# Altium PCB ddrlegobrick.PcbDoc (part 2 of 2)
Units mm, origin at the board's own origin, x right, y up, seen from the top; angles counter-clockwise.
Board outline 62 x 30 mm, 4 copper layers (TOP_PWR, POWER, SHIELD_GND, SIGNAL), stack 0.603 mm thick; 106 components, 102 nets, 465 pads, 300 vias.
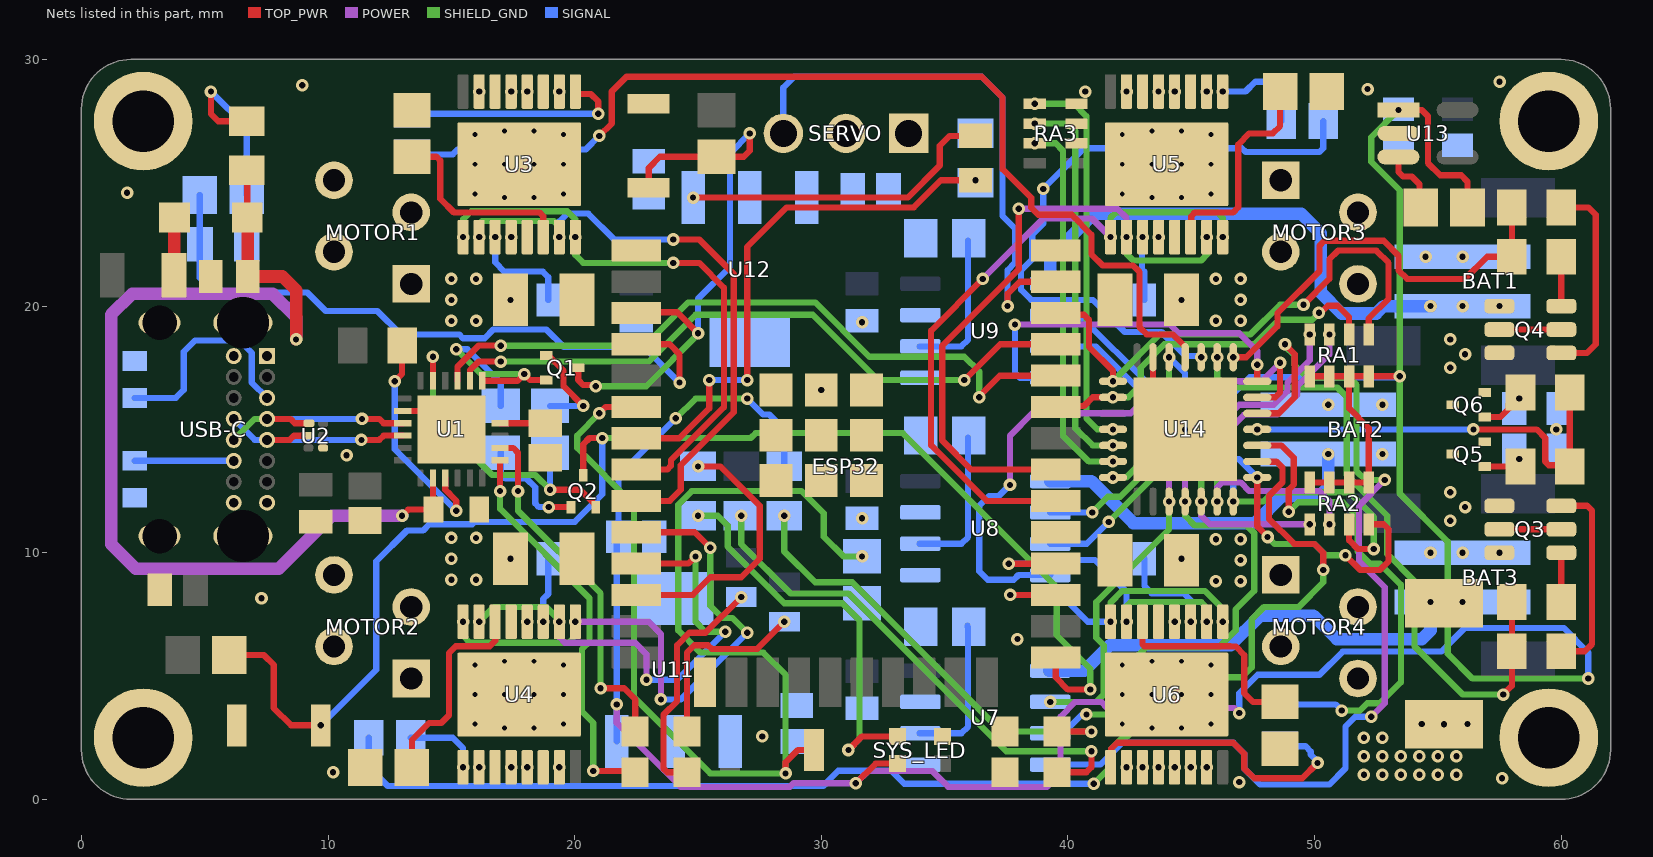
[diagram p4: the nets of this part, all layers, seen from the top]

## Via types
v1: diameter 0.508, hole 0.254, TOP_PWR to SIGNAL, 252 vias
v2: diameter 0.5, hole 0.2, TOP_PWR to SIGNAL, tented both sides, 40 vias
v3: diameter 0.5, hole 0.2, TOP_PWR to SIGNAL, 8 vias

## Nets (pads, with @x,y where several pads share a name; then routed paths per layer and width w, separated by ;. In a path a pad name is that pad's centre, name@x,y a point inside that pad or via, vN(x,y) a via of type N, cw(c..) or ccw(c..) an arc to the next point about the centre after c; other vN are vias at no path point) (continued)
+5V: C20.1 C22.1 C25.1 R4.1 R8.2 RA1.5 RA1.6 RA1.7 RA1.8 RA2.5 RA2.6 RA2.7 RA2.8 SYS_LED.4 U11.3 U13.1 U14.5 U14.14 | length 134.4
  TOP_PWR w0.254: v1(31.4,0.65) 32.2,1.45 SYS_LED.4@33.085,1.45 ; RA2.8@49.8,12.85 RA2.7@50.6,12.85 RA2.6@51.4,12.85 RA2.5@52.2,12.85 52.2,15.05 51.4,15.85 RA1.7@51.4,17.15 ; RA1.5@49.8,17.15 RA1.6@50.6,17.15 RA1.7@51.4,17.15 ; v1(53.399,27.95) 54.35,27.95 54.6,27.7 54.6,25.8 55.1,25.3 55.95,25.3 56.2,25.05 R8.2@56.2,24 ; v1(53.45,17.15) RA1.8@52.2,17.15 RA1.7@51.4,17.15
  POWER w0.254: v1(21.7,3.85) 21.7,3.1 24.296,0.504 28.722,0.504 28.868,0.65 v1(31.4,0.65) 31.9,1.15 34.504,1.15 35.15,0.504 39.154,0.504 39.7,1.05 39.7,3.35 40.3,3.95 41.35,3.95 41.6,3.7 46.75,3.7 v1(46.95,3.5)
  SHIELD_GND w0.254: v1(24.1,15.45) 24.9,16.25 v1(27,16.25) ; v1(41.825,13.05) 42.361,13.05 44.1,14.789 v1(44.1,17.925) ; v1(53.399,27.95) 52.3,26.851 52.3,25.85 53.45,24.7 v1(53.45,17.15) 53.45,12.4 55.4,10.45 55.4,5.9 56.4,4.9 v1(61.1,4.9)
  SIGNAL w0.254: U11.3@21.7,2.35 v1(21.7,3.85) 21.7,10.576 C22.1@21.774,10.65 21.774,13.124 v1(24.1,15.45) ; v1(27,16.25) 27.649,15.601 27.899,15.601 28.5,15 R4.1@28.5,13.5 ; v1(44.1,17.925) 44.75,17.275 C20.1@44.75,16.55 46.8,16.55 47.367,17.117 53.417,17.117 v1(53.45,17.15) ; v1(46.95,3.5) 46.95,4.3 47.7,5.05 50.2,5.05 51.142,5.992 55.142,5.992 56.1,6.95 60.1,6.95 61.1,5.95 v1(61.1,4.9)
+5V_SERVO: C35.1 SERVO.2 U12.3
ADDR0: RA3.1 U14.11 | length 15.8
  SHIELD_GND w0.254: v1(38.65,28.2) 40.25,28.2 40.75,27.7 40.75,15.45 41.19,15.01 41.815,15.01 v1(41.825,15)
ADDR1: RA3.2 U14.12 | length 15.6
  SHIELD_GND w0.254: v1(38.65,27.4) 40,27.4 40.3,27.1 40.3,15.05 41,14.35 v1(41.825,14.35)
ADDR2: RA3.3 U14.13 | length 15.3
  SHIELD_GND w0.254: v1(38.65,26.6) 39.5,26.6 39.8,26.3 39.8,14.75 40.85,13.7 v1(41.825,13.7)
BAT1_CHRG*: RA2.3 U9.7 U14.21 | length 21.4
  TOP_PWR w0.254: RA2.3@51.4,11.15 51.4,10.5 51.75,10.15 v1(52.4,10.15)
  SHIELD_GND w0.254: v1(46.7,12.075) 47.919,12.075 48.294,12.45 51.4,12.45 52.4,11.45 v1(52.4,10.15)
  SIGNAL w0.254: U9.7@39.285,18.365 41.135,18.365 42.931,16.569 42.931,13.919 43.45,13.4 46.1,13.4 46.7,12.8 v1(46.7,12.075)
BAT1_STDBY*: RA2.4 U9.6 U14.22 | length 22.9
  TOP_PWR w0.254: v1(47.675,13.05) 47.675,11.067 48.095,10.647 v1(48.095,10.637) ; v1(51.25,9.9) 51.85,9.3 52.65,9.3 53,9.65 53,10.95 52.8,11.15 RA2.4@52.2,11.15
  SHIELD_GND w0.254: v1(48.095,10.637) 48.382,10.35 50,10.35 50.45,9.9 v1(51.25,9.9)
  SIGNAL w0.254: U9.6@39.285,19.635 40.465,19.635 43.35,16.75 43.35,14.3 43.85,13.8 46.925,13.8 v1(47.675,13.05)
BAT2_CHRG*: RA2.1 U8.7 U14.19 | length 13.7
  POWER w0.254: v1(45.4,12.075) 45.4,11.5 45.75,11.15 v1(49.8,11.15)
  SHIELD_GND w0.254: v1(41.65,11.25) 43.85,13.45 45.05,13.45 45.4,13.1 v1(45.4,12.075)
  SIGNAL w0.254: U8.7@39.285,10.365 40.765,10.365 v1(41.65,11.25)
BAT2_G1: Q4.G1 R41.2 | length 2
  TOP_PWR w0.254: R41.2@60,22 60.005,21.995 Q4.G1@60.005,20
BAT2_G2: Q4.G2 R40.2 | length 8.3
  TOP_PWR w0.254: R40.2@60,24 61.1,24 61.4,23.7 61.4,18.45 61.05,18.1 Q4.G2@60.005,18.1
BAT2_STDBY*: RA2.2 U8.6 U14.20 | length 15.7
  POWER w0.254: v1(46.05,12.075) 46.05,12.65 46.25,12.85 47,12.85 47.35,12.5 50.2,12.5 50.6,12.1 v1(50.6,11.15)
  SHIELD_GND w0.254: v1(40.985,11.635) 41.617,12.267 42.117,12.267 43.7,13.85 45.6,13.85 46.05,13.4 v1(46.05,12.075)
  SIGNAL w0.254: U8.6@39.285,11.635 v1(40.985,11.635)
BAT3_CHRG*: RA1.3 U7.7 U14.18 | length 28.2
  POWER w0.254: v1(44.75,12.075) 44.75,13.2 47.15,15.6 48.5,15.6 49.3,16.4 49.3,16.75 50.6,18.05 v1(50.6,18.85)
  SHIELD_GND w0.254: v1(40.75,3.442) 41.879,3.442 42.183,3.746 42.546,3.746 42.85,4.05 42.85,5.85 43.169,6.169 46.119,6.169 46.8,6.85 46.8,7.7 47.55,8.45 47.55,10.8 47.25,11.1 45.15,11.1 44.75,11.5 v1(44.75,12.075)
  SIGNAL w0.254: U7.7@39.285,2.68 39.81,2.68 40.523,3.393 40.701,3.393 v1(40.75,3.442)
BAT3_G1: Q3.G1 R38.2 | length 8.1
  TOP_PWR w0.254: R38.2@60,6 60.95,6 61.25,6.3 61.25,11.7 61.05,11.9 Q3.G1@60.005,11.9
BAT3_G2: Q3.G2 R37.2 | length 2
  TOP_PWR w0.254: R37.2@60,8 60.005,8.005 Q3.G2@60.005,10
BAT3_STDBY*: RA1.4 U7.6 U14.17 | length 21.4
  POWER w0.254: v1(44.1,12.075) 44.1,13.15 46.95,16 48.35,16 48.9,16.55 48.9,16.9 49.8,17.8 v1(49.8,18.85)
  SHIELD_GND w0.254: v1(39.285,3.95) 41.15,3.95 41.45,4.25 41.45,6.25 41.15,6.55 41.15,8 44.1,10.95 v1(44.1,12.075)
BAT_CHRG_LVL: ESP32.7 R34.1 R35.2 | length 22
  TOP_PWR w0.254: ESP32.7@22.5,14.64 24.24,14.64 25.45,15.85 v1(25.45,17) v1@25.45,17.05 ; v1(27,17) 27,22.4 28.6,24 33.75,24 34.85,25.1 v1(36.25,25.1)
  SIGNAL w0.254: v1(25.45,17) v1(27,17)
BAT_PACK_4V2: BAT1.1 Q4.S1 U9.5 | length 20.4
  SIGNAL w0.508: U9.5@39.285,20.905 39.285,21.985 41.05,23.75 49.45,23.75 50.25,22.95 50.25,20.55 51.1,19.7 52.5,19.7 52.8,20 v1(54.7,20)
  other v1: 56,20 57.495,20
BAT_PACK_8V4: BAT2.1 Q3.S1 U8.5 | length 13.9
  SIGNAL w0.508: U8.5@39.285,12.905 40.945,12.905 42.65,11.2 47.594,11.2 48.687,12.293 50.193,12.293 50.55,12.65 v1(50.55,14)
  other v1: 55.5,11.3 56.1,11.85 55.5,12.45 52.75,14
BAT_PACK_8V4_N: BAT2.2 Q4.S2 Q6.3
  other v1: 50.55,16 52.75,16 55.5,17.5 56.1,18.05 55.5,18.65
BAT_PACK_12V6: BAT3.1 F2.1 U7.5 | length 18.1
  SIGNAL w0.508: U7.5@39.25,5.22 40.67,5.22 41.7,6.25 46.6,6.25 47.8,7.45 49.95,7.45 50.9,6.5 54.35,6.5 54.7,6.85 v1(54.7,8)
  other v1: 56,8
BAT_PACK_12V6_N: BAT3.2 Q3.S2 Q5.3
  other v1: 54.7,10 56,10 57.495,10
BAT_PACK_CONN_8V4: R40.1 R41.1 U14.1 | length 17.5
  TOP_PWR w0.254: v1(46.7,17.925) 47.231,17.925 48.492,19.186 48.492,19.71 50.2,21.418 50.2,22.45 50.4,22.65 52.8,22.65 53.4,22.05 53.4,21.45 53.75,21.1 56.1,21.1 57,22 R41.1@58,22 R40.1@58,24
BAT_PACK_CONN_12V6: R37.1 R38.1 U14.2 | length 25.9
  TOP_PWR w0.254: v1(57.65,4.25) 58,4.6 R38.1@58,6 R37.1@58,8
  SHIELD_GND w0.254: v1(46.05,17.925) 46.05,17.1 46.45,16.7 50.922,16.7 51.3,16.322 51.3,13.2 ; 51.3,13.15 52.95,11.5 52.95,9.95 54.05,8.85 54.05,6.2 56,4.25 v1(57.65,4.25)
CHRG_EN_GND: R43.2 R44.2 U14.25 | length 16.9
  TOP_PWR w0.254: v1(56.44,15) 59,15 59.35,14.65 59.35,13.7 59.5,13.55 60.3,13.55 R43.2@60.35,13.5 R44.2@60.35,16.5
  SIGNAL w0.254: v1(47.675,15) v1(56.44,15)
CHRG_START_4V2: U9.8 U14.28 | length 15
  TOP_PWR w0.254: U14.28@47.675,16.95 v1(47.675,17.625)
  POWER w0.254: v1(37.85,19.25) 44.15,19.25 44.5,18.9 46.95,18.9 47.675,18.175 v1(47.675,17.625)
  SIGNAL w0.254: v1(37.85,19.25) 37.85,17.3 38.055,17.095 U9.8@39.285,17.095
CHRG_START_8V4: U8.8 U14.27 | length 23.7
  TOP_PWR w0.254: U14.27@47.675,16.3 47.684,16.309 48.409,16.309 48.6,16.5 v1(48.6,17.7)
  POWER w0.254: v1(37.65,12.75) 37.65,14.75 38.55,15.65 42.55,15.65 43.85,16.95 47.85,16.95 v1(48.6,17.7)
  SIGNAL w0.254: v1(37.65,12.75) 37.201,12.301 36.801,12.301 36.4,11.9 36.4,9.25 36.75,8.9 37.8,8.9 37.995,9.095 U8.8@39.285,9.095
CHRG_START_12V6: U7.8 U14.26 | length 40
  TOP_PWR w0.254: U14.26@47.675,15.65 48.55,15.65 49.2,16.3 49.2,18.05 v1(48.8,18.45)
  POWER w0.254: v1(52.3,3.35) 52.85,3.9 52.85,8.6 51.8,9.65 51.8,11.9 v1(52.85,12.95)
  SHIELD_GND w0.254: v1(48.8,18.45) 48.8,18.381 49.2,17.981 49.2,17.6 49.7,17.1 51.4,17.1 51.7,16.8 51.7,13.3 52.05,12.95 v1(52.85,12.95)
  SIGNAL w0.254: U7.8@39.285,1.41 41.31,1.41 42.2,2.3 46.7,2.3 47.15,1.85 47.15,1.25 47.8,0.6 50.6,0.6 51.25,1.25 51.25,2.95 51.65,3.35 v1(52.3,3.35)
ESP32-I2C-SCL: ESP32.36 RA1.1 U14.8 | length 21.6
  TOP_PWR w0.254: ESP32.36@39.5,19.72 39.57,19.65 40.65,19.65 40.85,19.45 40.85,18.35 41.825,17.375 v1(41.825,16.95) ; v1(49.55,20.05) 50.6,21.1 50.6,21.9 50.95,22.25 52.5,22.25 53,21.75 53,20.3 52.2,19.5 RA1.1@52.2,18.85
  SHIELD_GND w0.254: v1(41.825,16.95) 43.725,18.85 47.4,18.85 48.6,20.05 v1(49.55,20.05)
ESP32-I2C-SDA: ESP32.33 RA1.2 U14.9 | length 14.9
  TOP_PWR w0.254: ESP32.33@39.51,15.9 ESP32.33@39.5,15.91 39.54,15.95 40.65,15.95 41,16.3 v1(41.825,16.3) ; v1(50.176,19.726) 50.245,19.726 50.531,20.012 50.938,20.012 51.4,19.55 RA1.2@51.4,18.85
  SHIELD_GND w0.254: v1(41.825,16.3) 42.45,16.3 42.95,16.8 42.95,17.5 43.9,18.45 47.55,18.45 48.55,19.45 49.9,19.45 v1(50.176,19.726)
ESP32_RX: ESP32.34 U1.21 | length 28.5
  TOP_PWR w0.254: U1.21@15.25,16.975 15.252,16.977 15.252,17.552 16.1,18.4 16.992,18.4 v1(17,18.392) ; v1(36.4,16.3) 36.4,16.35 37.23,17.18 ESP32.34@39.5,17.18
  SHIELD_GND w0.254: v1(17,18.392) 22.842,18.392 24.6,20.15 29.75,20.15 31.95,17.95 35.8,17.95 36.4,17.35 v1(36.4,16.3)
  SIGNAL w0.254: v1(17,18.392) v1@17.008,18.4
ESP32_SLEEP: ESP32.6 ESP32_SLEEP.2 R27.2 | length 47.2
  TOP_PWR w0.254: v1(21,15.65) 21.26,15.91 ESP32.6@22.5,15.91 ; v1(28.55,1.05) 28.55,1.5 29.05,2 ESP32_SLEEP.2@29.7,2
  SHIELD_GND w0.254: v1(21,15.65) 20.1,14.75 20.1,14.25 22.4,11.95 22.4,4.15 25.5,1.05 v1(28.55,1.05) 28.55,5.05 27.65,5.95 25.1,5.95 24.2,6.85 24.2,11.95 24.75,12.5 29.2,12.5 30.1,11.6 30.1,10.65 30.9,9.85 v1(31.65,9.85)
ESP32_TX: ESP32.35 U1.20 | length 26.8
  TOP_PWR w0.254: U1.20@15.75,16.975 15.752,16.977 15.752,17.402 16.1,17.75 v1(17,17.75) ; v1(35.8,17) 37.25,18.45 ESP32.35@39.5,18.45
  SHIELD_GND w0.254: v1(17,17.75) 23,17.75 24.9,19.65 29.65,19.65 32.3,17 v1(35.8,17)
GND: 3V3.1 5V.1 BAT1.2 C1.2 C2.2 C3.2 C4.1 C5.2 C6.2 C7.2 C9.1 C10.1 C12.1 C13.1 C15.1 C16.1 C18.1 C19.1 C20.2 C21.2 C22.2 C25.2 C26.2 C28.2 C31.2 C32.2 C34.2 C35.2 ESP32.1 ESP32.15 ESP32.38 ESP32.39 ESP32_BOOT.1 ESP32_RESET.1 MOTOR1.GND MOTOR2.GND MOTOR3.GND MOTOR4.GND pad.3 Q5.2 Q6.2 R27.1 R35.1 R36.1 R39.1 R42.1 R45.1 R46.2 R48.1 RA3.6 RA3.7 RA3.8 Rusb1.1 Rusb2.1 SERVO.1 SYS_LED.2 U1.2 U1.25 U2.4 U3.3 U3.6 U3.13 U3.17 U4.3 U4.6 U4.13 U4.17 U5.3 U5.6 U5.13 U5.17 U6.3 U6.6 U6.13 U6.17 U7.1 U7.3 U8.1 U8.3 U9.1 U9.3 U11.2 U11.4 U12.2 U12.4 U13.2 U14.6 U14.29 USB-C.1 USB-C.2 USB-C.3 USB-C.4 USB-C.A1 USB-C.A12 USB-C.B1 USB-C.B12 | length 5.7
  TOP_PWR w0.254: U1.2@13.025,15.75 14.25,15.75 U1.25@15,15 ; U14.6@43.45,17.925 43.45,16.3 v1(44.75,15)
  other v1: 46.95,0.7 57.6,0.85 10.2,1.1 43.025,1.3 44.975,1.3 37.95,6.5 7.3,8.15 31.65,11.4 10.75,13.95 59.8,15 30,16.595 31.65,19.35 54.5,22 56,22 1.85,24.6 40.7,28.7 52.15,28.8 8.95,28.95 57.5,29.1
  other v2: 17.15,2.9 18.35,2.9 43.4,2.9 44.6,2.9 15.95,3.05 19.55,3.05 42.2,3.05 45.8,3.05 15.95,4.25 19.55,4.25 42.2,4.25 45.8,4.25 15.95,5.45 19.55,5.45 42.2,5.45 45.8,5.45 17.15,5.6 18.35,5.6 43.4,5.6 44.6,5.6 17.15,24.4 18.35,24.4 43.4,24.4 44.6,24.4 15.95,24.55 19.55,24.55 42.2,24.55 45.8,24.55 15.95,25.75 19.55,25.75 42.2,25.75 45.8,25.75 15.95,26.95 19.55,26.95 42.2,26.95 45.8,26.95 17.15,27.1 18.35,27.1 43.4,27.1 44.6,27.1
  other v3: 17.15,4.25 18.35,4.25 43.4,4.25 44.6,4.25 17.15,25.75 18.35,25.75 43.4,25.75 44.6,25.75
GPIO0: ESP32.25 ESP32_BOOT.2 Q2.3 R13.1 | length 56.4
  TOP_PWR w0.254: R13.1@6,5.85 7.4,5.85 7.8,5.45 7.8,3.7 8.5,3 v1(9.7,3) ; Q2.3@20.35,13.148 20.35,14.4 20.6,14.65 v1(21.119,14.65) ; ESP32.25@39.5,5.75 39.5,4.95 40,4.45 40.892,4.45 v1(40.9,4.458)
  SHIELD_GND w0.254: v1(21.119,14.65) 27.144,14.65 27.344,14.85 33.3,14.85 39.55,8.6 39.55,6.65 40.9,5.3 v1(40.9,4.458)
  SIGNAL w0.254: v1(9.7,3) 11.95,5.25 11.95,9.65 13.2,10.9 13.85,10.9 14.1,11.15 15.85,11.15 15.95,11.25 20,11.25 21.119,12.369 v1(21.119,14.65)
"GPIO5 / VSPI_CS": ESP32.29
MOTOR1_CHA: MOTOR1.C1 U3.2 U3.7
  other v1: 16.125,28.7 19.375,28.7
MOTOR1_CHB: MOTOR1.C2 U3.4 U3.5
  other v1: 17.425,28.7 18.075,28.7
MOTOR1_PWM_A: ESP32.8 U3.9 U3.16 | length 23.2
  TOP_PWR w0.254: ESP32.8@22.5,13.37 23.751,13.37 23.9,13.519 23.9,13.75 26.05,15.9 26.05,20.75 25.05,21.75 v1(24,21.75)
  SHIELD_GND w0.254: v1(15.475,22.8) 15.475,23.525 15.8,23.85 19.7,23.85 20.025,23.525 v1(20.025,22.8) 20.025,22.075 20.35,21.75 v1(24,21.75)
MOTOR1_PWM_B: ESP32.9 U3.10 U3.15 | length 24.8
  TOP_PWR w0.254: ESP32.9@22.5,12.1 23.85,12.1 24.3,12.55 24.3,13.55 26.45,15.7 26.45,21.3 25.05,22.7 v1(24,22.7)
  SHIELD_GND w0.254: v1(16.125,22.8) 16.1,22.825 16.1,23.3 16.25,23.45 19.15,23.45 19.35,23.25 19.35,22.825 v1(19.375,22.8)
  SIGNAL w0.254: v1(19.375,22.8) 19.385,22.81 19.385,23.435 19.7,23.75 20.55,23.75 21.6,22.7 v1(24,22.7)
MOTOR2_CHA: MOTOR2.C1 U4.2 U4.7
  other v1: 16.125,1.3 19.375,1.3
MOTOR2_CHB: MOTOR2.C2 U4.4 U4.5
  other v1: 17.425,1.3 18.075,1.3
MOTOR2_PWM_A: ESP32.10 U4.9 U4.16 | length 24.4
  TOP_PWR w0.254: ESP32.10@22.5,10.83 24.87,10.83 v1(25.5,10.2)
  POWER w0.254: v1(20.025,7.2) 23,7.2 23.498,6.702 v1(23.498,4.049)
  SHIELD_GND w0.254: v1(15.475,7.2) 15.475,6.625 15.75,6.35 19.75,6.35 20.025,6.625 v1(20.025,7.2) ; v1(25.5,10.2) 25.5,7.85 26,7.35 26.4,7.35 v1(27,6.75)
  SIGNAL w0.254: v1(23.498,4.049) 24.299,4.049 v1(27,6.75)
MOTOR2_PWM_B: ESP32.11 U4.10 U4.15 | length 19.8
  TOP_PWR w0.254: ESP32.11@22.5,9.56 24.61,9.56 v1(24.9,9.85)
  POWER w0.254: v1(19.375,7.2) 19.385,7.19 19.385,6.565 19.6,6.35 22.45,6.35 22.908,5.892 v1(22.908,4.85)
  SHIELD_GND w0.254: v1(16.125,7.2) 16.725,7.8 18.843,7.8 19.375,7.268 v1(19.375,7.2) ; v1(24.9,9.85) 24.9,7.2 25.3,6.8 v1(26.1,6.8)
  SIGNAL w0.254: v1(22.908,4.85) 24.15,4.85 v1(26.1,6.8)
MOTOR3_CHA: MOTOR3.C1 U5.2 U5.7
  other v1: 42.375,28.7 45.625,28.7
MOTOR3_CHB: MOTOR3.C2 U5.4 U5.5
  other v1: 43.675,28.7 44.325,28.7
MOTOR3_PWM_A: ESP32.30 U5.9 U5.16 | length 26.4
  TOP_PWR w0.254: v1(36.55,21.1) 34.45,19 34.45,14.35 36.7,12.1 ESP32.30@39.5,12.1
  POWER w0.254: v1(36.55,21.1) 39,23.55 40.975,23.55 v1(41.725,22.8)
  SHIELD_GND w0.254: v1(41.725,22.8) 41.725,23.575 41.95,23.8 46.05,23.8 46.275,23.575 v1(46.275,22.8)
MOTOR3_PWM_B: ESP32.31 U5.10 U5.15 | length 26
  TOP_PWR w0.254: v1(38,23.95) 38,21.5 34.9,18.4 34.9,14.55 36.08,13.37 ESP32.31@39.5,13.37
  POWER w0.254: v1(38,23.95) 42,23.95 42.375,23.575 v1(42.375,22.8)
  SHIELD_GND w0.254: v1(42.375,22.8) 42.375,22.125 42.65,21.85 45.4,21.85 45.65,22.1 45.65,22.775 v1(45.625,22.8)
MOTOR4_CHA: MOTOR4.C1 U6.2 U6.7
  other v1: 42.375,1.3 45.625,1.3
MOTOR4_CHB: MOTOR4.C2 U6.4 U6.5
  other v1: 43.675,1.3 44.325,1.3
MOTOR4_PWM_A: ESP32.27 U6.9 U6.16 | length 12.7
  TOP_PWR w0.254: v1(37.66,8.29) ESP32.27@39.5,8.29
  SHIELD_GND w0.254: v1(41.725,7.2) 41.725,7.975 42.2,8.45 45.55,8.45 46.275,7.725 v1(46.275,7.2)
  SIGNAL w0.254: v1(37.66,8.29) 39.71,8.29 40.8,7.2 v1(41.725,7.2)
MOTOR4_PWM_B: ESP32.28 U6.10 U6.15 | length 13.1
  TOP_PWR w0.254: v1(37.6,9.55) 39.49,9.55 ESP32.28@39.5,9.56
  SHIELD_GND w0.254: v1(42.375,7.2) 42.375,7.825 42.55,8 45.4,8 45.625,7.775 v1(45.625,7.2)
  SIGNAL w0.254: v1(37.6,9.55) 38.309,9.55 38.459,9.7 41.1,9.7 42.375,8.425 v1(42.375,7.2)
MOTOR_DRV1_EN: R14.1 U14.4 | length 42.1
  TOP_PWR w0.254: v1(21,26.9) 21.5,27.4 21.5,28.7 22.1,29.3 36.5,29.3 37.35,28.45 37.35,25.55 38.508,24.392 38.508,23.992 38.8,23.7 40.15,23.7 40.95,22.9 40.95,22.1 41.4,21.65 42.634,21.65 42.9,21.384 42.9,19.15 43.2,18.85 44.25,18.85 44.75,18.35 U14.4@44.75,17.925
  SIGNAL w0.254: R14.1@13.4,26.15 15.05,26.15 15.25,26.35 20.45,26.35 v1(21,26.9)
MOTOR_DRV2_EN: R15.1 U14.23 | length 53.7
  TOP_PWR w0.254: U14.23@47.675,13.7 47.684,13.691 48.459,13.691 48.7,13.45 48.7,12.85 48.15,12.3 48.15,11.374 49.169,10.355 49.995,10.355 50.35,10 v1(50.35,9.3)
  SHIELD_GND w0.254: v1(41.05,0.631) 41.75,1.331 41.75,2.05 42.246,2.546 42.409,2.546 42.85,2.987 42.85,3.3 43.1,3.55 44.95,3.55 45.2,3.8 45.2,4.6 45.546,4.946 47.046,4.946 47.45,5.35 47.45,7.3 47.95,7.8 49.35,7.8 50.35,8.8 v1(50.35,9.3)
  SIGNAL w0.254: R15.1@11.65,2.5 11.65,1.307 12.415,0.542 30.073,0.542 30.689,1.158 32.836,1.158 33.363,0.631 v1(41.05,0.631)
MOTOR_DRV3_EN: R16.1 U14.3 | length 26.2
  SIGNAL w0.254: v1(45.4,17.925) 45.351,17.974 44.77,17.974 43.793,18.95 42.3,18.95 41,20.25 38.509,20.25 38.1,20.659 38.1,21.45 38.55,21.9 38.55,22.9 39,23.35 v1(39,24.75) 40.65,26.4 47.05,26.4 47.2,26.25 50.201,26.25 50.35,26.399 R16.1@50.35,27.5
MOTOR_DRV4_EN: R17.1 U14.24 | length 20.3
  TOP_PWR w0.254: U14.24@47.675,14.35 48.65,14.35 49.15,13.85 49.15,12.761 48.95,12.561 v1(48.95,11.658)
  SHIELD_GND w0.254: v1(48.95,11.658) 49.342,12.05 51.15,12.05 51.75,11.45 51.75,10.05 52.25,9.55 52.65,9.55 53.5,8.7 53.5,4.75 52.65,3.9 52.132,3.9 51.832,3.6 v1(51.1,3.6)
  SIGNAL w0.254: R17.1@48.6,3.85 50.85,3.85 v1(51.1,3.6)
Net3V3_2: 3V3.2 R3.2 | length 21
  TOP_PWR w0.254: 3V3.2@39.55,1.1 40.75,1.1 40.95,1.3 v1(40.95,1.95)
  SHIELD_GND w0.254: v1(26.75,11.5) 26.75,10.35 28.75,8.35 31.1,8.35 37.5,1.95 v1(40.95,1.95)
Net5V_2: 5V.2 R4.2 | length 18.3
  TOP_PWR w0.254: 5V.2@39.55,2.75 v1(40.95,2.75)
  SHIELD_GND w0.254: v1(28.5,11.5) 28.5,10.05 29.75,8.8 31.25,8.8 37.3,2.75 v1(40.95,2.75)
NetC2_1: C2.1 C3.1 D1.1 R31.2 U1.8 | length 42.9
  TOP_PWR w0.254: R31.2@6.7,25.5 6.725,25.475 D1.1@6.725,23.6 ; v1(13,11.5) 13.25,11.75 C3.1@14.25,11.75 ; C3.1@14.25,11.55 C3.1@14.25,11.75 ; U1.8@14.25,13.025 C3.1@14.25,11.75 ; C3.1@14.268,11.593 C3.1@14.275,11.6 ; C3.1@14.275,11.75 C3.1@14.25,11.75
  TOP_PWR w0.508: D1.1@6.725,23.6 6.738,23.587 6.738,21.213 C2.1@6.75,21.2 8.15,21.2 8.7,20.65 v1(8.7,18.65)
  POWER w0.508: v1(8.7,18.65) 8.7,19.55 7.75,20.5 2.05,20.5 1.2,19.65 1.2,10.35 2.2,9.35 8,9.35 10.15,11.5 v1(13,11.5)
NetC6_1: C6.1 U1.16 | length 1.8
  TOP_PWR w0.254: U1.16@16.975,15.25 C6.1@18.75,15.25
NetC8_2: C8.2 U3.11 | length 4.4
  TOP_PWR w0.254: U3.11@16.75,22.825 v1(16.775,22.8)
  SIGNAL w0.254: v1(16.775,22.8) 16.775,21.775 17.15,21.4 18.7,21.4 18.851,21.249 18.925,21.175 C8.2@18.925,20.25
NetC10_2: C10.2 U3.14 | length 8.1
  TOP_PWR w0.254: C10.2@13.4,26.05 14.4,26.05 14.55,25.9 14.55,24.35 15.104,23.796 18.576,23.796 18.725,23.647 U3.14@18.725,22.8
NetC11_2: C11.2 U4.11 | length 2.6
  SIGNAL w0.254: v1(18.725,7.2) 18.725,8.125 18.925,8.325 C11.2@18.925,9.75
NetC13_2: C13.2 U4.14 | length 8.4
  TOP_PWR w0.254: C13.2@13.4,1.3 13.4,2.4 14.1,3.1 14.6,3.1 14.9,3.4 14.9,5.929 15.175,6.204 16.554,6.204 16.775,6.425 U4.14@16.775,7.2
NetC14_2: C14.2 U5.11 | length 2.6
  SIGNAL w0.254: v1(43.025,22.8) 43,22.775 43,21.5 43.1,21.4 C14.2@43.1,20.25
NetC16_2: C16.2 U5.14 | length 8.9
  TOP_PWR w0.254: U5.14@44.975,22.8 45,22.825 45,23.647 45.149,23.796 46.696,23.796 46.9,24 46.9,26.55 47.35,27 48.3,27 48.6,27.3 C16.2@48.6,28.7
NetC17_2: C17.2 U6.11 | length 4.1
  SIGNAL w0.254: C17.2@43.1,9.75 43.1,8.65 43.4,8.35 44.7,8.35 44.975,8.075 v1(44.975,7.2)
NetC19_2: C19.2 U6.14 | length 8.4
  TOP_PWR w0.254: U6.14@43.025,7.2 43.025,6.275 43.096,6.204 46.575,6.204 46.579,6.2 46.8,6.2 47.15,5.85 47.15,4.3 47.5,3.95 C19.2@48.6,3.95
NetD1_2: D1.2 F1.2 | length 2.4
  TOP_PWR w0.508: F1.2@3.75,21.25 3.762,21.263 3.762,23.588 D1.2@3.775,23.6
NetQ1_1: Q1.1 R1.1 | length 4.1
  TOP_PWR w0.254: Q1.1@18.852,18 18.928,18 19.55,17.378 19.55,16.75 v1(20.35,15.95)
  SIGNAL w0.254: R1.1@19,15.95 v1(20.35,15.95)
NetQ2_1: Q2.1 R2.1 | length 4.6
  TOP_PWR w0.254: v1(18.95,11.85) 18.951,11.851 19.849,11.851 Q2.1@19.85,11.853
  SIGNAL w0.254: R2.1@17,14.05 17,13.2 17.192,13.008 18.042,13.008 18.4,12.65 18.4,11.999 18.549,11.85 v1(18.95,11.85)
NetQ3_D12: Q3.D12 | length 2.5
  TOP_PWR w0.254: Q3.D12@57.495,10.95 Q3.D12@60.005,10.95
NetQ4_D12: Q4.D12 | length 2.5
  TOP_PWR w0.254: Q4.D12@57.495,19.05 Q4.D12@60.005,19.05
NetQ5_1: Q5.1 R43.1 R45.2 | length 1.5
  TOP_PWR w0.254: Q5.1@56.897,13.5 R43.1@58.35,13.5
  other v1: 58.3,13.8
NetQ6_1: Q6.1 R44.1 R46.1 | length 2.2
  TOP_PWR w0.254: Q6.1@56.897,15.5 57.532,15.5 57.877,15.845 57.877,16.027 R44.1@58.35,16.5 58.35,16.3 v1(58.3,16.25)
NetR5_1: R5.1 U1.9 | length 9.4
  TOP_PWR w0.254: v1(12.7,16.95) 13,17.25 R5.1@13,18.4 ; U1.9@14.75,13.025 14.752,13.023 14.752,12.557 14.929,12.38 14.929,12.371 15.2,12.1 v1(15.2,11.7)
  SIGNAL w0.254: v1(12.7,16.95) 12.7,14.2 v1(15.2,11.7)
NetR6_1: R6.1 TX.2 | length 7.8
  TOP_PWR w0.254: TX.2@24.55,2.75 24.55,5.95 24.85,6.25 25.4,6.25 25.55,6.1 27.4,6.1 v1(28.5,7.2)
NetR7_1: R7.1 RX.2 | length 9.6
  TOP_PWR w0.254: RX.2@24.55,1.1 23.75,1.1 23.6,1.25 23.6,3.433 24.15,3.983 24.15,6.25 24.65,6.75 25.3,6.75 v1(26.75,8.2)
NetR8_1: R8.1 U13.3 | length 2.6
  TOP_PWR w0.254: U13.3@53.399,26.05 53.399,25.451 53.6,25.25 53.95,25.25 54.25,24.95 54.25,24.05 R8.1@54.3,24
NetR14_2: R14.2 U3.1 | length 9.1
  TOP_PWR w0.254: U3.1@20.025,28.6 20.65,28.6 20.95,28.3 v1(20.95,27.8)
  SIGNAL w0.254: R14.2@13.4,27.85 13.45,27.8 v1(20.95,27.8)
NetR15_2: R15.2 U4.1 | length 3.1
  SIGNAL w0.254: R15.2@13.35,2.5 15.05,2.5 15.475,2.075 v1(15.475,1.3)
NetR16_2: R16.2 U5.1 | length 3.9
  SIGNAL w0.254: v1(46.275,28.7) 47.2,28.7 47.6,29.1 48.25,29.1 48.65,28.7 R16.2@48.65,27.5
NetR17_2: R17.2 U6.1 | length 13.1
  TOP_PWR w0.254: U6.1@41.725,1.3 41.75,1.325 41.75,2.05 41.996,2.296 46.704,2.296 47.15,1.85 47.15,1.25 47.55,0.85 49.495,0.85 v1(50.119,1.474) v1@50.119,1.405
  SIGNAL w0.254: R17.2@49.073,1.677 R17.2@48.6,2.15 49.633,2.15 49.847,1.936 49.847,1.814 50.119,1.543 v1(50.119,1.474)
NetR33_2: R33.2 SYS_LED.3 | length 16.5
  TOP_PWR w0.254: v1(31.1,2) 31.65,2.55 SYS_LED.3@33.085,2.55
  SHIELD_GND w0.254: v1(25,11.5) 25.8,11.5 26.2,11.1 26.2,10.25 28.5,7.95 30.85,7.95 31.55,7.25 31.55,2.45 v1(31.1,2)
NetR36_2: R36.2 U7.2 | length 6.2
  SIGNAL w0.254: U7.2@33.98,2.68 35.68,2.68 35.95,2.95 35.95,6.975 35.925,7 R36.2@35.925,7.05
NetR39_2: R39.2 U8.2 | length 6.1
  SIGNAL w0.254: U8.2@33.98,10.365 35.68,10.365 35.95,10.635 R39.2@35.95,14.66
NetR42_2: R42.2 U9.2 | length 6.1
  SIGNAL w0.254: U9.2@33.98,18.365 35.68,18.365 35.95,18.635 R42.2@35.95,22.66
NetRusb1_2: Rusb1.2 USB-C.A5 | length 8.9
  SIGNAL w0.254: Rusb1.2@2.165,16.275 3.825,16.275 4.15,16.6 4.15,18.15 4.6,18.6 6.4,18.6 6.9,18.1 6.9,16.9 USB-C.A5@7.525,16.275
NetRusb2_2: Rusb2.2 USB-C.B5 | length 4
  SIGNAL w0.254: Rusb2.2@2.165,13.725 USB-C.B5@6.175,13.725
RESET: ESP32.3 ESP32_RESET.2 Q1.3 R12.1 | length 24.1
  TOP_PWR w0.254: Q1.3@20.148,17.5 20.148,17.002 20.351,16.799 20.801,16.799 v1(20.85,16.75) ; ESP32.3@22.5,19.72 22.53,19.75 24.15,19.75 v1(25,18.9) ; ESP32_RESET.2@23,24.8 23,25.6 23.45,26.05 R12.1@25.75,26.05 26.85,26.05 27.1,26.3 v1(27.1,27)
  SHIELD_GND w0.254: v1(20.85,16.75) 22.9,16.75 25,18.85 v1(25,18.9)
  SIGNAL w0.254: v1(25,18.9) 25,20.3 26.3,21.6 26.3,26.2 v1(27.1,27)
RX-LED: RX.1 U1.13 | length 16.1
  TOP_PWR w0.254: v1(16.975,12.5) U1.13@16.975,13.75 ; v1(20.75,1.15) 22.4,1.15 RX.1@22.45,1.1
  SHIELD_GND w0.254: v1(16.975,12.5) 16.975,11.775 20.6,8.15 20.6,6.4 20.3,6.1 20.3,3.55 20.75,3.1 v1(20.75,1.15)
SERVO_PWM: ESP32.37 SERVO.3 | length 22.7
  TOP_PWR w0.254: v1(37.55,20) 37.55,20.5 38.04,20.99 ESP32.37@39.5,20.99
  SIGNAL w0.254: SERVO.3@28.46,27 28.46,28.86 28.9,29.3 36.5,29.3 37.35,28.45 37.35,23.65 37.85,23.15 37.85,21.759 37.55,21.459 v1(37.55,20)
SYS_LED: ESP32.12 R33.1 | length 10.9
  TOP_PWR w0.254: ESP32.12@22.5,8.29 24.79,8.29 25.5,9 26.75,9 27.5,9.75 27.5,11.9 25.9,13.5 v1(25,13.5)
TX-LED: TX.1 U1.14 | length 14.6
  TOP_PWR w0.254: U1.14@16.975,14.25 16.977,14.248 17.502,14.248 17.7,14.05 v1(17.7,12.5) ; v1(21.05,4.5) 22,4.5 22.45,4.05 TX.1@22.45,2.75
  SHIELD_GND w0.254: v1(17.7,12.5) 17.7,11.7 21.05,8.35 v1(21.05,4.5)
UART_DTR: Q2.2 R1.2 U1.23 | length 13.1
  TOP_PWR w0.254: U1.23@14.25,16.975 v1(14.25,17.95) ; v1(19,12.55) 20.229,12.55 20.85,11.929 Q2.2@20.85,11.853
  SHIELD_GND w0.254: v1(14.25,17.95) 14.25,15.55 16.65,13.15 18.4,13.15 v1(19,12.55)
  SIGNAL w0.254: v1(19,12.55) R1.2@19,14.05
UART_RTS: Q1.2 R2.2 U1.19 | length 9.3
  TOP_PWR w0.254: U1.19@16.25,16.975 17.683,16.975 v1(17.95,17.242) 18.192,17 Q1.2@18.852,17
  SHIELD_GND w0.254: v1(15.2,18.25) 16.208,17.242 v1(17.95,17.242)
  SIGNAL w0.254: v1(15.2,18.25) 15.65,18.25 17,16.9 R2.2@17,15.95
USB_M: U1.4 U2.2 USB-C.A7 USB-C.B7 | length 9
  TOP_PWR w0.254: USB-C.A7@7.5,14.575 USB-C.A7@7.525,14.575 8.45,14.575 8.619,14.744 9.194,14.744 U2.2@9.2,14.75 ; v1@11.375,14.575 12.075,14.575 12.25,14.75 U1.4@13.025,14.75
  SIGNAL w0.254: USB-C.B7@6.175,15.425 7.025,14.575 USB-C.A7@7.525,14.575 v1(11.35,14.575)
USB_P: U1.3 U2.1 USB-C.A6 USB-C.B6 | length 9
  TOP_PWR w0.254: USB-C.A6@7.525,15.425 8.475,15.425 8.65,15.25 U2.1@9.225,15.25 ; v1(11.375,15.425) 12.075,15.425 12.25,15.25 U1.3@13.025,15.25
  SHIELD_GND w0.254: USB-C.B6@6.175,14.575 7.025,15.425 USB-C.A6@7.525,15.425
  SIGNAL w0.254: USB-C.A6@7.525,15.425 v1(11.375,15.425)
USB_PWR_DET: R31.1 R47.2 | length 7.3
  TOP_PWR w0.254: v1(5.25,28.7) 5.25,27.8 5.55,27.5 R31.1@6.7,27.5
  SIGNAL w0.254: v1(5.25,28.7) 6.7,27.25 R47.2@6.7,24.5
USB_PWR_DET_3V3: ESP32.4 R47.1 R48.2 | length 27.9
  TOP_PWR w0.254: ESP32.4@22.5,18.45 23.85,18.45 24.25,18.05 v1(24.25,16.9)
  SIGNAL w0.254: R47.1@4.8,24.5 R48.2@4.8,22.5 4.8,21.15 5.4,20.55 9.15,20.55 9.9,19.8 12,19.8 12.95,18.85 15.318,18.85 15.468,18.7 16.35,18.7 16.7,19.05 18.85,19.05 19.55,18.35 22.8,18.35 v1(24.25,16.9)
VCC_12V6: C8.1 C9.2 C11.1 C12.2 C14.1 C15.2 C17.1 C18.2 C21.1 C32.1 F2.2 MOTOR1.VCC MOTOR2.VCC MOTOR3.VCC MOTOR4.VCC R34.2 U3.12 U4.12 U5.12 U6.12 U11.1 U12.1 | length 13
  TOP_PWR w0.254: v1(24.8,24.4) 33.5,24.4 34.8,25.7 34.8,26.5 35.2,26.9 R34.2@36.25,26.9
  other v1: 52,1 52.75,1 53.5,1 54.25,1 55,1 55.75,1 52,1.75 52.75,1.75 53.5,1.75 54.25,1.75 55,1.75 55.75,1.75 52,2.5 52.75,2.5 27.6,2.55 54.35,3.05 55.25,3.045 56.2,3.05 18.075,7.2 44.325,7.2 46,8.85 47,8.85 15,8.9 16,8.9 47,9.7 15,9.75 17.4,9.75 44.6,9.75 46,10.55 47,10.55 15,10.6 16,10.6 15,19.4 16,19.4 46,19.408 47,19.408 15,20.25 17.4,20.25 44.6,20.25 47,20.25 15,21.1 16,21.1 46,21.1 47,21.1 17.425,22.8 43.675,22.8
pads on no net: BAT1.MP1 BAT1.MP2 BAT2.MP1 BAT2.MP2 BAT3.MP1 BAT3.MP2 ESP32.5 ESP32.13 ESP32.14 ESP32.16 ESP32.17 ESP32.18 ESP32.19 ESP32.20 ESP32.21 ESP32.22 ESP32.23 ESP32.24 ESP32.26 ESP32.32 RA3.4 RA3.5 SYS_LED.1 U1.1 U1.10 U1.11 U1.12 U1.15 U1.17 U1.18 U1.22 U1.24 U2.3 U2.5 U3.8 U4.8 U5.8 U6.8 U13.4 U14.7 U14.10 U14.15 U14.16 USB-C.A8 USB-C.B8

## Polygon pours and split planes (outlines as drawn)
GND on TOP_PWR "TOP_GND" (solid, remove dead copper, pour order 73): 0,30 62,30 62,0 0,0
VCC_12V6 on TOP_PWR "VCC_12V6_L01_P047" (solid, pour order 47): 44,6.45 44,8 43.8,8 43,8.8 43,11.1 47,11.1 48,10.1 49.65,10.1 49.65,7.85 46.8,7.85 46.45,8.2 44.95,8.2 44.65,7.9 44.65,6.45
BAT_PACK_8V4_N on TOP_PWR (solid, pour order 72): 54.75,15.25 55.75,15.25 56.25,15.75 56.25,17.3 56.5,17.55 59,17.55 59,18.6 56.45,18.6 56,19.05 54.75,19.05 54.75,17.05
VCC_12V6 on TOP_PWR "VCC_12V6_L01_P051" (solid, pour order 51): 43.35,23.65 43.35,19.05 47.45,19.05 49.9,21.5 49.9,26.5 47.25,26.5 47.25,22 46.75,21.5 44,21.5 44,23.65
VCC_12V6 on TOP_PWR "VCC_12V6_L01_P068" (solid, pour order 68): 53.25,5.75 53.25,3.25 52.9,2.9 51.4,2.9 51,2.5 51,1 51.5,0.5 56.3,0.5 57.25,1.45 57.25,5.75
BAT_PACK_12V6 on TOP_PWR "BAT_PACK_12V6_L01_P067" (solid, pour order 67): 53.25,9.25 57.2,9.25 57.2,6 53.25,6
BAT_PACK_12V6_N on TOP_PWR "BAT_PACK_12V6_N_L01_P066" (solid, pour order 66): 56.5,10.6 56.5,9.4 53.75,9.4 53.4,9.75 53.4,13 54.9,14.5 56.25,14.5 56.25,13.4 55.85,13 54.65,13 54.65,10.75 54.8,10.6
BAT_PACK_8V4 on TOP_PWR "BAT_PACK_8V4_L01_P062" (solid, pour order 62): 59,12.3 56.55,12.3 56,12.85 54.75,12.85 54.75,10.85 56,10.85 56.55,11.4 59,11.4
VCC_12V6 on TOP_PWR "VCC_12V6_L01_P050" (solid, pour order 50): 12.2,3.6 14.5,3.6 14.5,7.75 15,8.25 17.75,8.25 17.75,6.2 18.4,6.2 18.4,11.1 16.55,11.1 14.6,11.1 12.2,8.7
VCC_12V6 on TOP_PWR "VCC_12V6_L01_P037" (solid, pour order 37): 17.75,23.55 17.75,22 17.95,22 18.75,21.2 18.75,18.9 14.35,18.9 13.75,19.5 12,19.5 12,22.35 14.75,22.35 15.3,21.8 16.8,21.8 17.1,22.1 17.1,23.55
+3V3 on TOP_PWR "+3V3_L01_P033" (solid, pour order 33): 8.6,13.5 11.5,13.5 12.5,14.5 13.5,14.5 13.5,13.5 14,13.5 14,12.5 13.45,11.95 8.6,11.95
VCC_12V6 on POWER "VCC_12V6" (solid, remove dead copper, pour order 77): 0,30 62,30 62,0 0,0
BAT_PACK_8V4 on POWER "BAT_PACK_8V4_L02_P064" (solid, pour order 64): 49.75,13.4 49.75,14.75 55.45,14.75 57,13.2 57,10.75 54.75,10.75 54.75,12.5 53.85,13.4
BAT_PACK_8V4_N on POWER "BAT_PACK_8V4_N_L02_P063" (solid, pour order 63): 49.75,16.75 49.75,15.25 55.45,15.25 57,16.8 57,19 54.75,19 54.75,17.5 54,16.75
BAT_PACK_4V2 on POWER "BAT_PACK_4V2_L02_P058" (solid, pour order 58): 53.5,20.9 53.5,19.25 55.85,19.25 59,19.25 59,20.9
MOTOR4_CHA on POWER "MOTOR4_CHA_L02_P054" (solid, pour order 54): 49.75,7.45 49.75,1.45 48.65,0.35 42.05,0.35 42.05,2.3 42.25,2.5 46.5,2.5 47.35,3.35 47.35,7.45
BAT_PACK_12V6_N on POWER "BAT_PACK_12V6_N_L02_P045" (solid, pour order 45): 53,9.1 53,10.2 53,10.75 55.85,10.75 59,10.75 59,9.1
MOTOR3_CHB on POWER "MOTOR3_CHB_L02_P052" (solid, pour order 52): 43.25,27.7 43.25,29.65 48.55,29.65 53,25.2 53,22.7 52.7,22.4 50.8,22.4 50.25,22.95 50.25,26 48.55,27.7
MOTOR2_CHB on POWER "MOTOR2_CHB_L02_P048" (solid, pour order 48): 18.5,2.3 18.5,0.35 13.2,0.35 10.45,3.1 10.45,4.2 9.7,4.95 8.75,4.95 8.75,7.35 9.1,7.7 11.4,7.7 12.05,7.05 12.05,4.05 13.8,2.3
MOTOR1_CHB on POWER "MOTOR1_CHB_L02_P036" (solid, pour order 36): 18.5,27.5 18.5,29.65 13.1,29.65 11.25,27.8 11.25,24.5 10.35,23.6 8.75,23.6 8.75,21 9.25,20.5 11.25,20.5 12.25,21.5 12.25,24.5 15.25,27.5
GND on SHIELD_GND "SHIELD_GND" (solid, remove dead copper, pour order 75): 0,30 62,30 62,0 0,0
MOTOR4_CHB on SHIELD_GND "MOTOR4_CHB_L03_P055" (solid, pour order 55): 43.25,2.5 43.25,0.35 48.65,0.35 50.65,2.35 50.65,5.35 51.7,6.4 53,6.4 53,8.65 52.55,9.1 51.05,9.1 49.75,7.8 49.75,5.75 46.5,2.5
MOTOR3_CHA on SHIELD_GND "MOTOR3_CHA_L03_P053" (solid, pour order 53): 49.9,20.95 49.9,28.4 48.6,29.7 42.05,29.7 42.05,27.7 42.25,27.5 46.5,27.5 47.35,26.65 47.35,20.95
MOTOR2_CHA on SHIELD_GND "MOTOR2_CHA_L03_P049" (solid, pour order 49): 12.2,9.05 12.2,1.25 13.15,0.3 19.7,0.3 19.7,2.1 19.5,2.3 15.45,2.3 14.5,3.25 14.5,9.05
MOTOR1_CHA on SHIELD_GND "MOTOR1_CHA_L03_P046" (solid, pour order 46): 12,22.55 12,28.55 13.1,29.65 19.7,29.65 19.7,27.7 19.5,27.5 15.25,27.5 14.75,27 14.75,22.55
GND on SIGNAL "SIG_GND" (solid, remove dead copper, pour order 78): 0,30 62,30 62,0 0,0
VCC_12V6 on SIGNAL "VCC_12V6_L04_P069" (solid, pour order 69): 25.698,1.148 25.698,3.552 26.902,3.552 27.474,2.98 29.649,2.98 29.65,2.979 29.65,1.85 28.46,1.85 28.219,2.091 26.902,2.091 26.902,1.148
VCC_12V6 on SIGNAL "VCC_12V6_L04_P076" (solid, pour order 76): 23.85,25.15 24.7,26 26,26 26,23.55 25.5,23.05 22.45,23.05 21.75,23.75 21.75,25.15
+5V_SERVO on SIGNAL "+5V_SERVO_L04_P070" (solid, pour order 70): 28.25,22.45 28.25,25.3 29.75,26.8 29.75,28.75 32.1,28.75 32.1,23.7 30.85,22.45

## Keep-outs
Keep-Out Layer:
  the board outline again, w0.5

## Silkscreen, mask and mechanical layers (free items; w line width, h text height)
Top Overlay:
  text "PWM | 5V | GND" at 28.05,28.839 h1
Bottom Overlay:
  drawing of 942 lines, arcs and shapes, not listed